# KiCad board HALTEST-panel.kicad_pcb
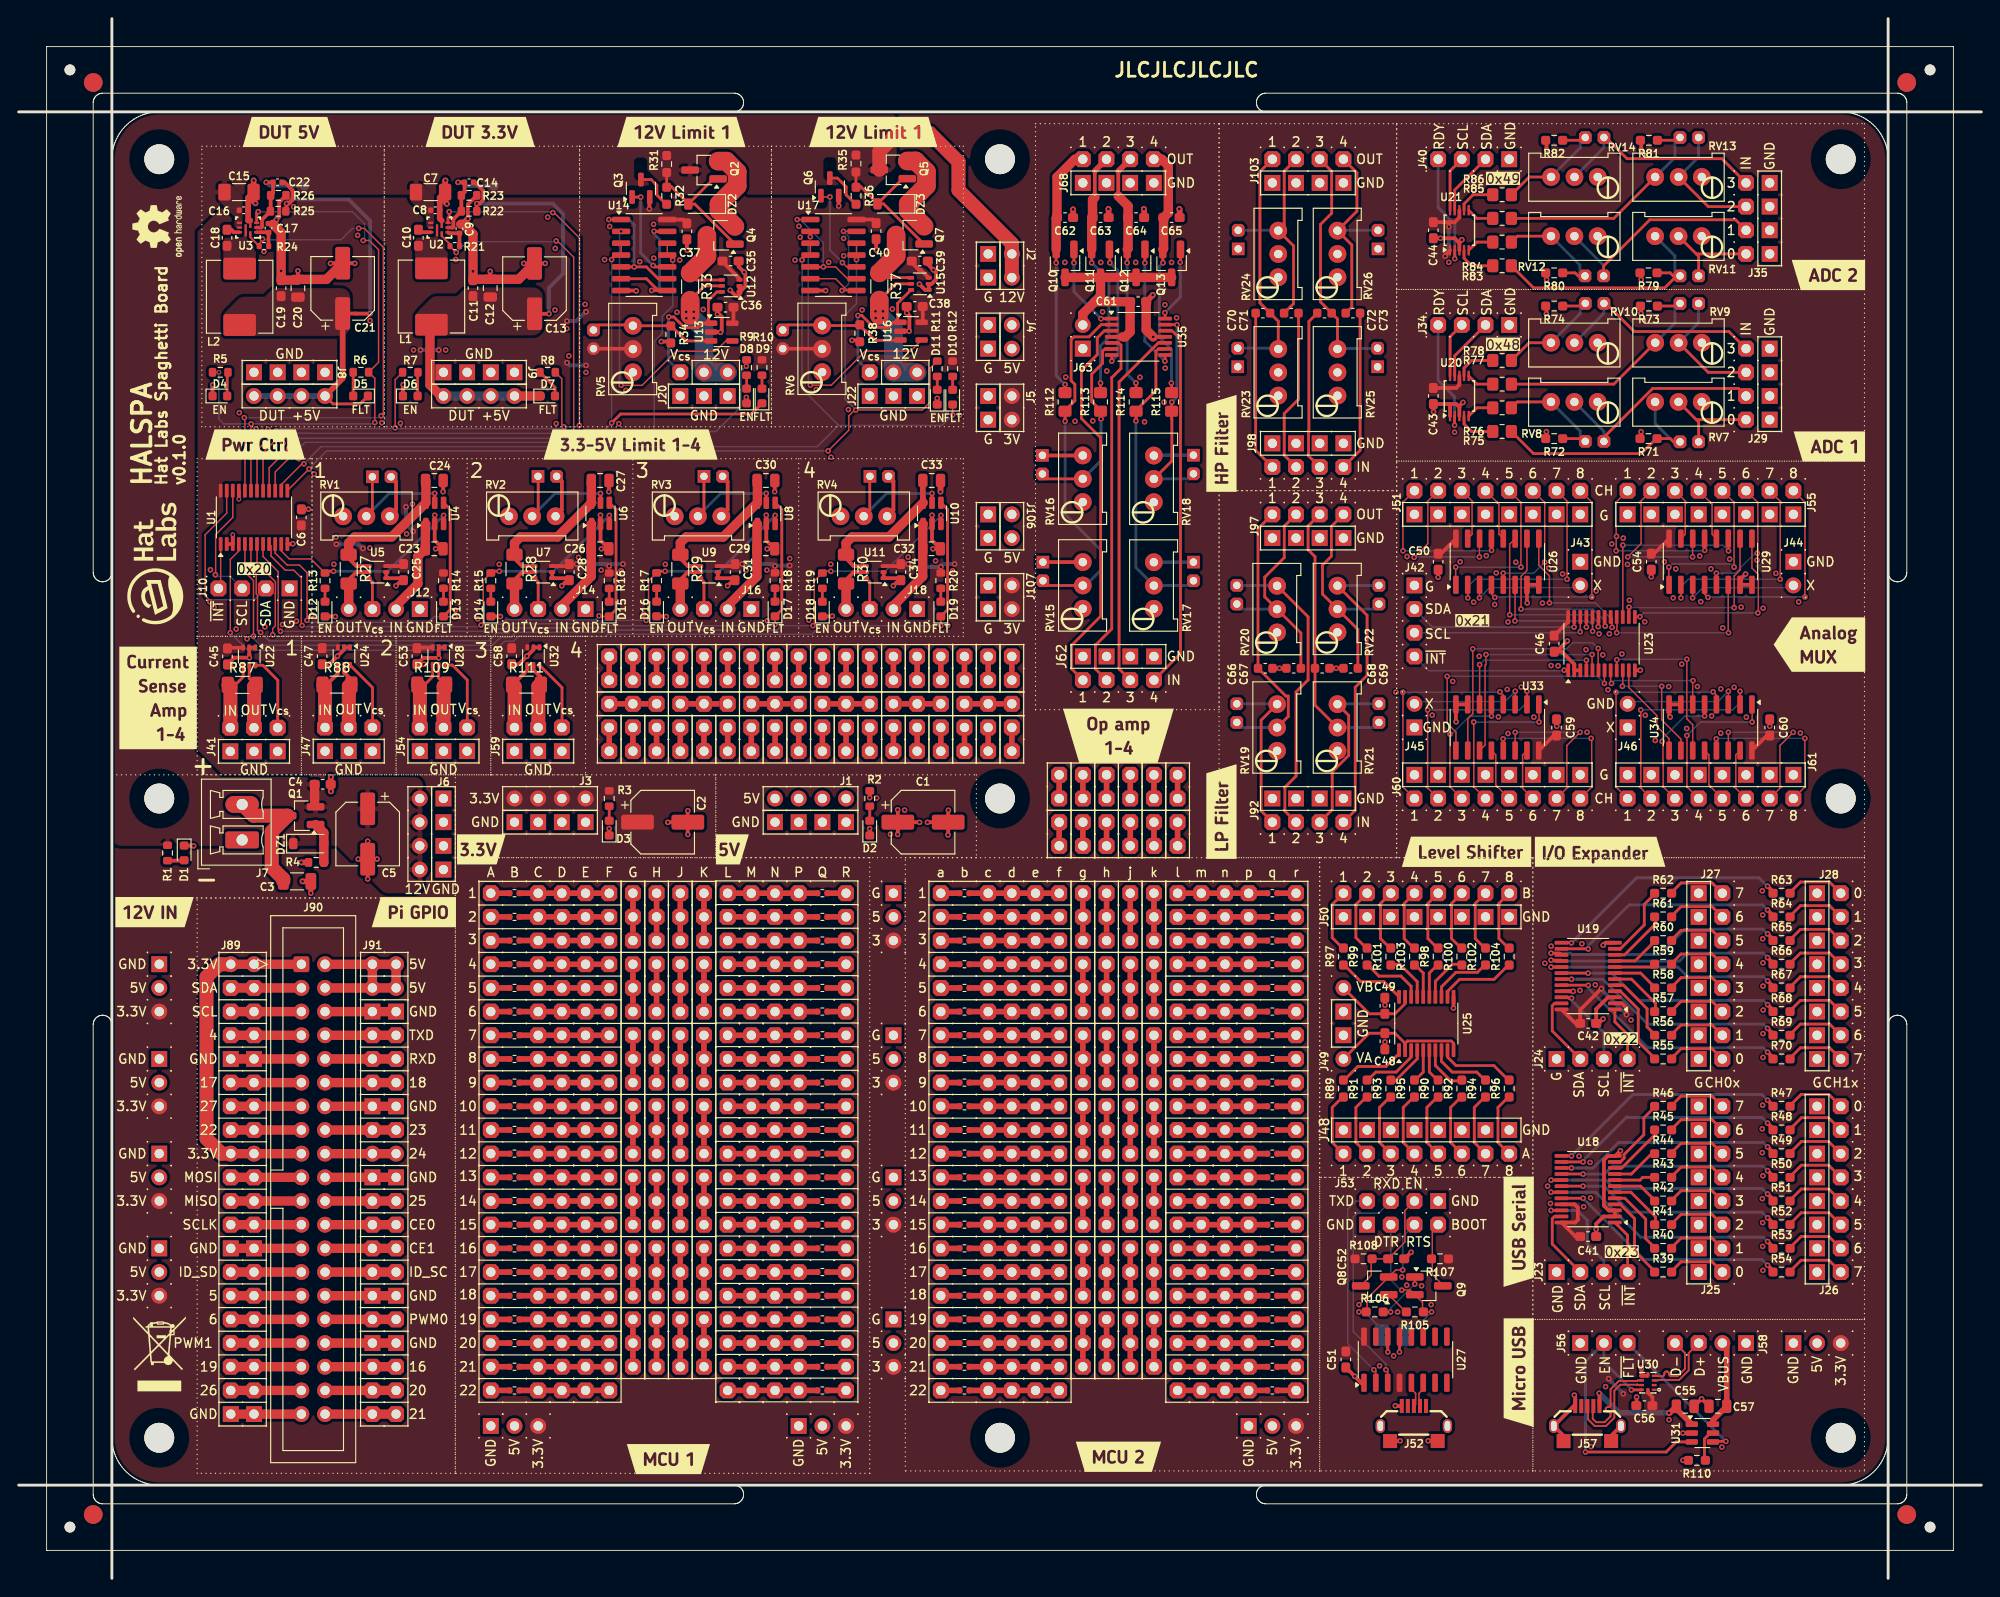
[diagram p0: board, top side]
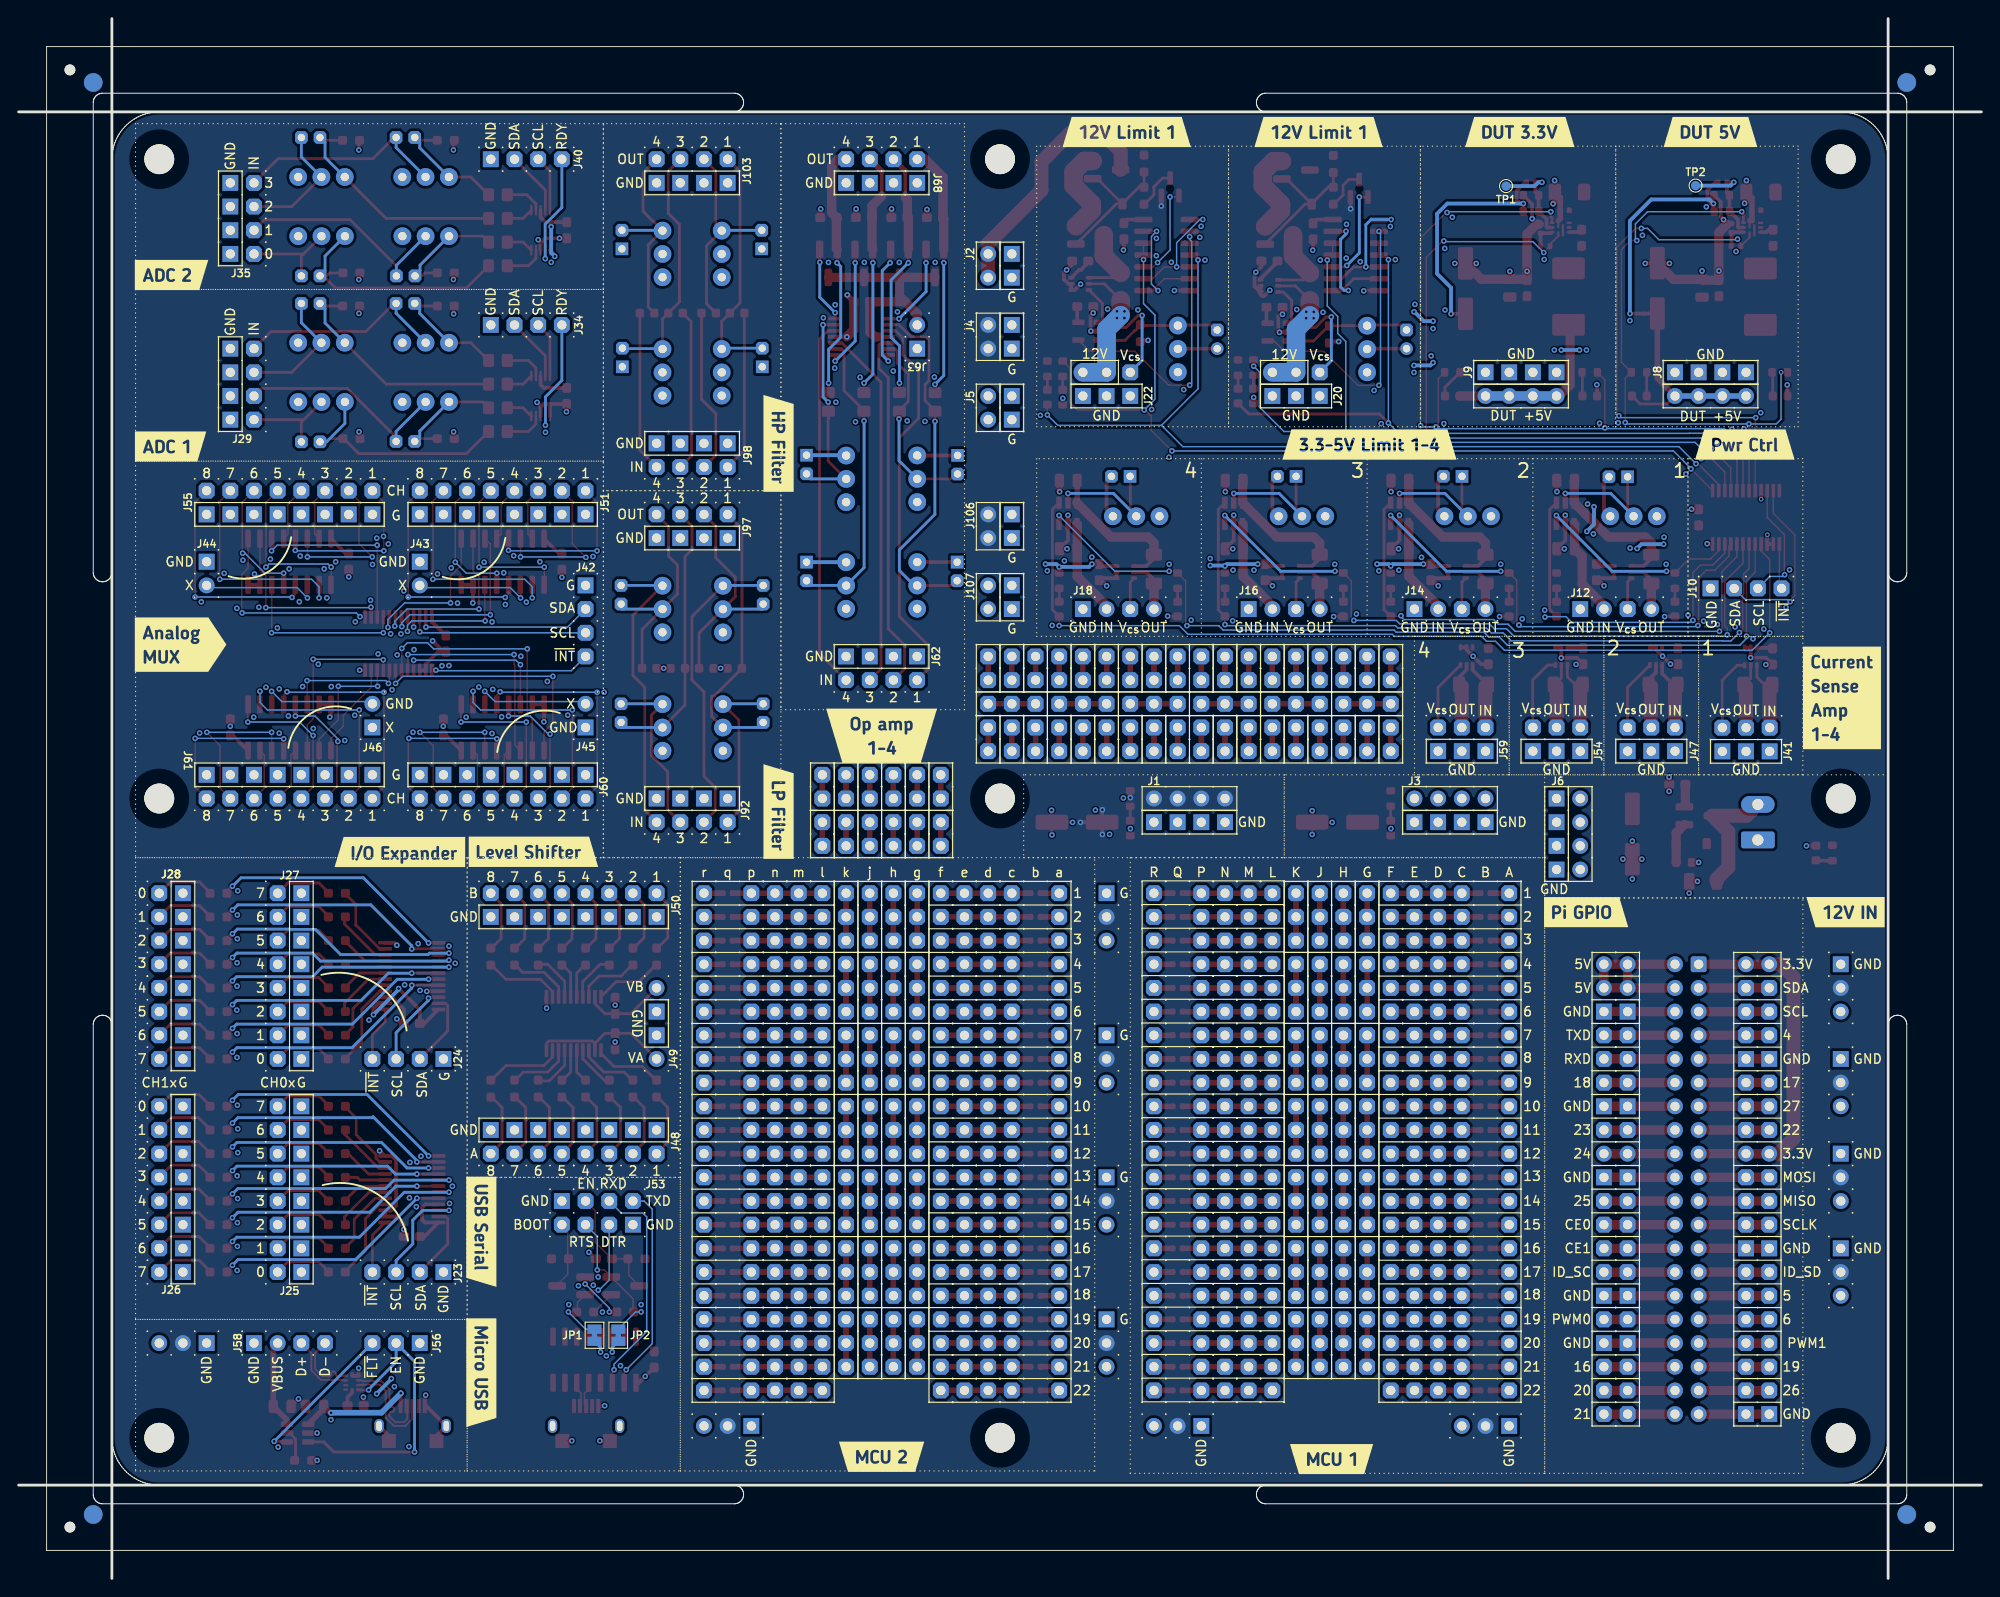
[diagram p1: board, bottom side, seen from below]

Outline 210.5 x 167.32 mm; copper layers: Top, In1.Cu, In2.Cu, Bottom. Coordinates in mm from the lower left corner of the outline.
Outline path: 0,157.32 210.5,157.32 ; 0,10 210.5,10 ; 3,3 3,3.01 3,164.31 3,164.32 ; 3,3 3.01,3 207.49,3 207.5,3 ; 3,164.32 3.01,164.32 207.49,164.32 207.5,164.32 ; 10,167.32 10,0 ; 10.41,13.09 10.32,13.3 10.31,13.33 10.24,13.55 10.23,13.57 10.17,13.79 10.16,13.82 10.11,14.05 10.1,14.07 10.06,14.3 10.06,14.32 10.03,14.55 10.03,14.58 10.01,14.81 10.01,14.84 10,15.07 10,15.09 10,59.41 10,59.46 10,59.51 9.99,59.56 9.98,59.61 9.97,59.65 9.96,59.7 9.94,59.75 9.92,59.79 9.9,59.84 9.88,59.88 9.86,59.92 9.83,59.97 9.8,60.01 9.77,60.04 9.74,60.08 9.71,60.12 9.67,60.15 9.63,60.18 9.6,60.21 9.56,60.24 9.51,60.27 9.47,60.29 9.43,60.31 9.38,60.33 9.34,60.35 9.29,60.37 9.24,60.38 9.2,60.39 9.15,60.4 9.1,60.41 9.05,60.41 9,60.41 8.95,60.41 8.9,60.41 8.85,60.4 8.8,60.39 8.76,60.38 8.71,60.37 8.66,60.35 8.62,60.33 8.57,60.31 8.53,60.29 8.49,60.27 8.44,60.24 8.4,60.21 8.37,60.18 8.33,60.15 8.29,60.12 8.26,60.08 8.23,60.04 8.2,60.01 8.17,59.97 8.14,59.92 8.12,59.88 8.1,59.84 8.08,59.79 8.06,59.75 8.04,59.7 8.03,59.65 8.02,59.61 8.01,59.56 8,59.51 8,59.46 8,59.41 8,9 8,8.95 8,8.9 8.01,8.85 8.02,8.8 8.03,8.76 8.04,8.71 8.06,8.66 8.08,8.62 8.1,8.57 8.12,8.53 8.14,8.49 8.17,8.44 8.2,8.4 8.23,8.37 8.26,8.33 8.29,8.29 8.33,8.26 8.37,8.23 8.4,8.2 8.44,8.17 8.49,8.14 8.53,8.12 8.57,8.1 8.62,8.08 8.66,8.06 8.71,8.04 8.76,8.03 8.8,8.02 8.85,8.01 8.9,8 8.95,8 9,8 76.75,8 76.8,8 76.85,8 76.9,8.01 76.95,8.02 76.99,8.03 77.04,8.04 77.09,8.06 77.13,8.08 77.18,8.1 77.22,8.12 77.26,8.14 77.31,8.17 77.35,8.2 77.38,8.23 77.42,8.26 77.46,8.29 77.49,8.33 77.52,8.37 77.55,8.4 77.58,8.44 77.61,8.49 77.63,8.53 77.65,8.57 77.67,8.62 77.69,8.66 77.71,8.71 77.72,8.76 77.73,8.8 77.74,8.85 77.75,8.9 77.75,8.95 77.75,9 77.75,9.05 77.75,9.1 77.74,9.15 77.73,9.2 77.72,9.24 77.71,9.29 77.69,9.34 77.67,9.38 77.65,9.43 77.63,9.47 77.61,9.51 77.58,9.56 77.55,9.6 77.52,9.63 77.49,9.67 77.46,9.71 77.42,9.74 77.38,9.77 77.35,9.8 77.31,9.83 77.26,9.86 77.22,9.88 77.18,9.9 77.13,9.92 77.09,9.94 77.04,9.96 76.99,9.97 76.95,9.98 76.9,9.99 76.85,10 76.8,10 76.75,10 15.09,10 15.07,10 14.84,10.01 14.81,10.01 14.58,10.03 14.55,10.03 14.32,10.06 14.3,10.06 14.07,10.1 14.05,10.11 13.82,10.16 13.79,10.17 13.57,10.23 13.55,10.24 13.33,10.31 13.3,10.32 13.09,10.41 ; 10.41,154.23 10.32,154.02 10.31,153.99 10.24,153.77 10.23,153.75 10.17,153.53 10.16,153.5 10.11,153.27 10.1,153.25 10.06,153.02 10.06,153 10.03,152.77 10.03,152.74 10.01,152.51 10.01,152.48 10,152.25 10,152.23 10,107.91 10,107.86 10,107.81 9.99,107.76 9.98,107.71 9.97,107.67 9.96,107.62 9.94,107.57 9.92,107.53 9.9,107.48 9.88,107.44 9.86,107.4 9.83,107.35 9.8,107.31 9.77,107.28 9.74,107.24 9.71,107.2 9.67,107.17 9.63,107.14 9.6,107.11 9.56,107.08 9.51,107.05 9.47,107.03 9.43,107.01 9.38,106.99 9.34,106.97 9.29,106.95 9.24,106.94 9.2,106.93 9.15,106.92 9.1,106.91 9.05,106.91 9,106.91 8.95,106.91 8.9,106.91 8.85,106.92 8.8,106.93 8.76,106.94 8.71,106.95 8.66,106.97 8.62,106.99 8.57,107.01 8.53,107.03 8.49,107.05 8.44,107.08 8.4,107.11 8.37,107.14 8.33,107.17 8.29,107.2 8.26,107.24 8.23,107.28 8.2,107.31 8.17,107.35 8.14,107.4 8.12,107.44 8.1,107.48 8.08,107.53 8.06,107.57 8.04,107.62 8.03,107.67 8.02,107.71 8.01,107.76 8,107.81 8,107.86 8,107.91 8,158.32 8,158.37 8,158.42 8.01,158.47 8.02,158.52 8.03,158.56 8.04,158.61 8.06,158.66 8.08,158.7 8.1,158.75 8.12,158.79 8.14,158.83 8.17,158.88 8.2,158.92 8.23,158.95 8.26,158.99 8.29,159.03 8.33,159.06 8.37,159.09 8.4,159.12 8.44,159.15 8.49,159.18 8.53,159.2 8.57,159.22 8.62,159.24 8.66,159.26 8.71,159.28 8.76,159.29 8.8,159.3 8.85,159.31 8.9,159.32 8.95,159.32 9,159.32 76.75,159.32 76.8,159.32 76.85,159.32 76.9,159.31 76.95,159.3 76.99,159.29 77.04,159.28 77.09,159.26 77.13,159.24 77.18,159.22 77.22,159.2 77.26,159.18 77.31,159.15 77.35,159.12 77.38,159.09 77.42,159.06 77.46,159.03 77.49,158.99 77.52,158.95 77.55,158.92 77.58,158.88 77.61,158.83 77.63,158.79 77.65,158.75 77.67,158.7 77.69,158.66 77.71,158.61 77.72,158.56 77.73,158.52 77.74,158.47 77.75,158.42 77.75,158.37 77.75,158.32 77.75,158.27 77.75,158.22 77.74,158.17 77.73,158.12 77.72,158.08 77.71,158.03 77.69,157.98 77.67,157.94 77.65,157.89 77.63,157.85 77.61,157.81 77.58,157.76 77.55,157.72 77.52,157.69 77.49,157.65 77.46,157.61 77.42,157.58 77.38,157.55 77.35,157.52 77.31,157.49 77.26,157.46 77.22,157.44 77.18,157.42 77.13,157.4 77.09,157.38 77.04,157.36 76.99,157.35 76.95,157.34 76.9,157.33 76.85,157.32 76.8,157.32 76.75,157.32 15.09,157.32 15.07,157.32 14.84,157.31 14.81,157.31 14.58,157.29 14.55,157.29 14.32,157.26 14.3,157.26 14.07,157.22 14.05,157.21 13.82,157.16 13.79,157.15 13.57,157.09 13.55,157.08 13.33,157.01 13.3,157 13.09,156.91 ; 10.41,13.09 10.42,13.07 10.51,12.85 10.53,12.83 10.63,12.63 10.64,12.6 10.76,12.4 10.78,12.38 10.9,12.19 10.92,12.17 11.06,11.98 11.07,11.96 11.22,11.78 11.23,11.76 11.39,11.59 11.41,11.57 ; 10.41,154.23 10.42,154.25 10.51,154.47 10.53,154.49 10.63,154.69 10.64,154.72 10.76,154.92 10.78,154.94 10.9,155.13 10.92,155.15 11.06,155.34 11.07,155.36 11.22,155.54 11.23,155.56 11.39,155.73 11.41,155.75 ; 11.41,11.57 11.57,11.41 ; 11.57,155.91 11.41,155.75 ; 11.57,11.41 11.59,11.39 11.76,11.23 11.78,11.22 11.96,11.07 11.98,11.06 12.17,10.92 12.19,10.9 12.38,10.78 12.4,10.76 12.6,10.64 12.63,10.63 12.83,10.53 12.85,10.51 13.07,10.42 13.09,10.41 ; 11.57,155.91 11.59,155.93 11.76,156.09 11.78,156.1 11.96,156.25 11.98,156.26 12.17,156.4 12.19,156.42 12.38,156.54 12.4,156.56 12.6,156.68 12.63,156.69 12.83,156.79 12.85,156.81 13.07,156.9 13.09,156.91 ; 197.41,10.41 197.2,10.32 197.17,10.31 196.95,10.24 196.93,10.23 196.71,10.17 196.68,10.16 196.45,10.11 196.43,10.1 196.2,10.06 196.18,10.06 195.95,10.03 195.92,10.03 195.69,10.01 195.66,10.01 195.43,10 195.41,10 133.75,10 133.7,10 133.65,10 133.6,9.99 133.55,9.98 133.51,9.97 133.46,9.96 133.41,9.94 133.37,9.92 133.32,9.9 133.28,9.88 133.24,9.86 133.19,9.83 133.15,9.8 133.12,9.77 133.08,9.74 133.04,9.71 133.01,9.67 132.98,9.63 132.95,9.6 132.92,9.56 132.89,9.51 132.87,9.47 132.85,9.43 132.83,9.38 132.81,9.34 132.79,9.29 132.78,9.24 132.77,9.2 132.76,9.15 132.75,9.1 132.75,9.05 132.75,9 132.75,8.95 132.75,8.9 132.76,8.85 132.77,8.8 132.78,8.76 132.79,8.71 132.81,8.66 132.83,8.62 132.85,8.57 132.87,8.53 132.89,8.49 132.92,8.44 132.95,8.4 132.98,8.37 133.01,8.33 133.04,8.29 133.08,8.26 133.12,8.23 133.15,8.2 133.19,8.17 133.24,8.14 133.28,8.12 133.32,8.1 133.37,8.08 133.41,8.06 133.46,8.04 133.51,8.03 133.55,8.02 133.6,8.01 133.65,8 133.7,8 133.75,8 201.5,8 201.55,8 201.6,8 201.65,8.01 201.7,8.02 201.74,8.03 201.79,8.04 201.84,8.06 201.88,8.08 201.93,8.1 201.97,8.12 202.01,8.14 202.06,8.17 202.1,8.2 202.13,8.23 202.17,8.26 202.21,8.29 202.24,8.33 202.27,8.37 202.3,8.4 202.33,8.44 202.36,8.49 202.38,8.53 202.4,8.57 202.42,8.62 202.44,8.66 202.46,8.71 202.47,8.76 202.48,8.8 202.49,8.85 202.5,8.9 202.5,8.95 202.5,9 202.5,59.41 202.5,59.46 202.5,59.51 202.49,59.56 202.48,59.61 202.47,59.65 202.46,59.7 202.44,59.75 202.42,59.79 202.4,59.84 202.38,59.88 202.36,59.92 202.33,59.97 202.3,60.01 202.27,60.04 202.24,60.08 202.21,60.12 202.17,60.15 202.13,60.18 202.1,60.21 202.06,60.24 202.01,60.27 201.97,60.29 201.93,60.31 201.88,60.33 201.84,60.35 201.79,60.37 201.74,60.38 201.7,60.39 201.65,60.4 201.6,60.41 201.55,60.41 201.5,60.41 201.45,60.41 201.4,60.41 201.35,60.4 201.3,60.39 201.26,60.38 201.21,60.37 201.16,60.35 201.12,60.33 201.07,60.31 201.03,60.29 200.99,60.27 200.94,60.24 200.9,60.21 200.87,60.18 200.83,60.15 200.79,60.12 200.76,60.08 200.73,60.04 200.7,60.01 200.67,59.97 200.64,59.92 200.62,59.88 200.6,59.84 200.58,59.79 200.56,59.75 200.54,59.7 200.53,59.65 200.52,59.61 200.51,59.56 200.5,59.51 200.5,59.46 200.5,59.41 200.5,15.09 200.5,15.07 200.49,14.84 200.49,14.81 200.47,14.58 200.47,14.55 200.44,14.32 200.44,14.3 200.4,14.07 200.39,14.05 200.34,13.82 200.33,13.79 200.27,13.57 200.26,13.55 200.19,13.33 200.18,13.3 200.09,13.09 ; 197.41,156.91 197.2,157 197.17,157.01 196.95,157.08 196.93,157.09 196.71,157.15 196.68,157.16 196.45,157.21 196.43,157.22 196.2,157.26 196.18,157.26 195.95,157.29 195.92,157.29 195.69,157.31 195.66,157.31 195.43,157.32 195.41,157.32 133.75,157.32 133.7,157.32 133.65,157.32 133.6,157.33 133.55,157.34 133.51,157.35 133.46,157.36 133.41,157.38 133.37,157.4 133.32,157.42 133.28,157.44 133.24,157.46 133.19,157.49 133.15,157.52 133.12,157.55 133.08,157.58 133.04,157.61 133.01,157.65 132.98,157.69 132.95,157.72 132.92,157.76 132.89,157.81 132.87,157.85 132.85,157.89 132.83,157.94 132.81,157.98 132.79,158.03 132.78,158.08 132.77,158.12 132.76,158.17 132.75,158.22 132.75,158.27 132.75,158.32 132.75,158.37 132.75,158.42 132.76,158.47 132.77,158.52 132.78,158.56 132.79,158.61 132.81,158.66 132.83,158.7 132.85,158.75 132.87,158.79 132.89,158.83 132.92,158.88 132.95,158.92 132.98,158.95 133.01,158.99 133.04,159.03 133.08,159.06 133.12,159.09 133.15,159.12 133.19,159.15 133.24,159.18 133.28,159.2 133.32,159.22 133.37,159.24 133.41,159.26 133.46,159.28 133.51,159.29 133.55,159.3 133.6,159.31 133.65,159.32 133.7,159.32 133.75,159.32 201.5,159.32 201.55,159.32 201.6,159.32 201.65,159.31 201.7,159.3 201.74,159.29 201.79,159.28 201.84,159.26 201.88,159.24 201.93,159.22 201.97,159.2 202.01,159.18 202.06,159.15 202.1,159.12 202.13,159.09 202.17,159.06 202.21,159.03 202.24,158.99 202.27,158.95 202.3,158.92 202.33,158.88 202.36,158.83 202.38,158.79 202.4,158.75 202.42,158.7 202.44,158.66 202.46,158.61 202.47,158.56 202.48,158.52 202.49,158.47 202.5,158.42 202.5,158.37 202.5,158.32 202.5,107.91 202.5,107.86 202.5,107.81 202.49,107.76 202.48,107.71 202.47,107.67 202.46,107.62 202.44,107.57 202.42,107.53 202.4,107.48 202.38,107.44 202.36,107.4 202.33,107.35 202.3,107.31 202.27,107.28 202.24,107.24 202.21,107.2 202.17,107.17 202.13,107.14 202.1,107.11 202.06,107.08 202.01,107.05 201.97,107.03 201.93,107.01 201.88,106.99 201.84,106.97 201.79,106.95 201.74,106.94 201.7,106.93 201.65,106.92 201.6,106.91 201.55,106.91 201.5,106.91 201.45,106.91 201.4,106.91 201.35,106.92 201.3,106.93 201.26,106.94 201.21,106.95 201.16,106.97 201.12,106.99 201.07,107.01 201.03,107.03 200.99,107.05 200.94,107.08 200.9,107.11 200.87,107.14 200.83,107.17 200.79,107.2 200.76,107.24 200.73,107.28 200.7,107.31 200.67,107.35 200.64,107.4 200.62,107.44 200.6,107.48 200.58,107.53 200.56,107.57 200.54,107.62 200.53,107.67 200.52,107.71 200.51,107.76 200.5,107.81 200.5,107.86 200.5,107.91 200.5,152.23 200.5,152.25 200.49,152.48 200.49,152.51 200.47,152.74 200.47,152.77 200.44,153 200.44,153.02 200.4,153.25 200.39,153.27 200.34,153.5 200.33,153.53 200.27,153.75 200.26,153.77 200.19,153.99 200.18,154.02 200.09,154.23 ; 197.41,10.41 197.43,10.42 197.65,10.51 197.67,10.53 197.87,10.63 197.9,10.64 198.1,10.76 198.12,10.78 198.31,10.9 198.33,10.92 198.52,11.06 198.54,11.07 198.72,11.22 198.74,11.23 198.91,11.39 198.93,11.41 ; 197.41,156.91 197.43,156.9 197.65,156.81 197.67,156.79 197.87,156.69 197.9,156.68 198.1,156.56 198.12,156.54 198.31,156.42 198.33,156.4 198.52,156.26 198.54,156.25 198.72,156.1 198.74,156.09 198.91,155.93 198.93,155.91 ; 198.93,11.41 199.09,11.57 ; 199.09,155.75 198.93,155.91 ; 199.09,11.57 199.11,11.59 199.27,11.76 199.28,11.78 199.43,11.96 199.44,11.98 199.58,12.17 199.6,12.19 199.72,12.38 199.74,12.4 199.86,12.6 199.87,12.63 199.97,12.83 199.99,12.85 200.08,13.07 200.09,13.09 ; 199.09,155.75 199.11,155.73 199.27,155.56 199.28,155.54 199.43,155.36 199.44,155.34 199.58,155.15 199.6,155.13 199.72,154.94 199.74,154.92 199.86,154.72 199.87,154.69 199.97,154.49 199.99,154.47 200.08,154.25 200.09,154.23 ; 200.5,167.32 200.5,0 ; 207.5,3 207.5,3.01 207.5,164.31 207.5,164.32
Stack: Top 0.035mm / dielectric 0.0994mm FR4 er 4.5 / In1.Cu 0.0152mm / dielectric 1.265mm FR4 er 4.5 / In2.Cu 0.0152mm / dielectric 0.0994mm FR4 er 4.5 / Bottom 0.035mm

## Placement (name value [footprint] x y rotation side)
C1  220uF  [CP_Elec_6.3x7.7]  97 81.12 0 top
C2  220uF  [CP_Elec_6.3x7.7]  69.07 81.12 0 top
C3  1uF/50V  [C_1206_3216Metric]  29.86 74.77 0 top
C4  1uF  [C_0603_1608Metric_Pad1.08x0.95mm_HandSolder]  32.61 85.18 0 top
C5  220uF  [CP_Elec_6.3x7.7]  37.43 79.85 270 top
C6  1uF  [C_0603_1608Metric_Pad1.08x0.95mm_HandSolder]  30.32 113.82 90 top
C7  10uF  [C_1206_3216Metric_Pad1.33x1.80mm_HandSolder]  44.17 148.71 0 top
C8  1uF  [C_0402_1005Metric]  44.67 146.76 0 top
C9  1uF  [C_0402_1005Metric]  47.28 144.78 90 top
C10  100nF  [C_0603_1608Metric_Pad1.08x0.95mm_HandSolder]  42.88 143.81 90 top
C11  1uF  [C_0603_1608Metric_Pad1.08x0.95mm_HandSolder]  48.72 138.41 90 top
C12  10uF  [C_0805_2012Metric]  50.58 138.41 90 top
C13  220uF/16V  [CP_Elec_6.3x7.7]  55.33 138.36 90 top
C14  33pF  [C_0402_1005Metric]  48.31 149.76 180 top
C15  10uF  [C_1206_3216Metric_Pad1.33x1.80mm_HandSolder]  23.64 148.71 0 top
C16  1uF  [C_0402_1005Metric]  24.13 146.76 0 top
C17  1uF  [C_0402_1005Metric]  26.8 144.86 90 top
C18  100nF  [C_0603_1608Metric_Pad1.08x0.95mm_HandSolder]  22.35 143.81 90 top
C19  1uF  [C_0603_1608Metric_Pad1.08x0.95mm_HandSolder]  28.15 138.41 90 top
C20  10uF  [C_0805_2012Metric]  29.95 138.4 90 top
C21  220uF/16V  [CP_Elec_6.3x7.7]  34.75 138.38 90 top
C22  33pF  [C_0402_1005Metric]  27.77 149.76 180 top
C23  10uF  [C_0805_2012Metric]  44.57 110.45 0 top
C24  10uF  [C_0805_2012Metric]  44.58 117.77 0 top
C25  1uF  [C_0603_1608Metric_Pad1.08x0.95mm_HandSolder]  41.28 107.94 270 top
C26  10uF  [C_0805_2012Metric]  62.35 110.45 0 top
C27  10uF  [C_0805_2012Metric]  62.36 117.77 0 top
C28  1uF  [C_0603_1608Metric_Pad1.08x0.95mm_HandSolder]  59.06 107.94 270 top
C29  10uF  [C_0805_2012Metric]  80.13 110.45 0 top
C30  10uF  [C_0805_2012Metric]  80.14 117.77 0 top
C31  1uF  [C_0603_1608Metric_Pad1.08x0.95mm_HandSolder]  76.84 107.94 270 top
C32  10uF  [C_0805_2012Metric]  97.91 110.45 0 top
C33  10uF  [C_0805_2012Metric]  97.93 117.77 0 top
C34  1uF  [C_0603_1608Metric_Pad1.08x0.95mm_HandSolder]  94.62 107.94 270 top
C35  1uF  [C_0603_1608Metric_Pad1.08x0.95mm_HandSolder]  76.35 141.32 0 top
C36  1uF  [C_0603_1608Metric_Pad1.08x0.95mm_HandSolder]  75.81 136.37 180 top
C37  1uF  [C_0603_1608Metric_Pad1.08x0.95mm_HandSolder]  71.67 144.5 270 top
C38  1uF  [C_0603_1608Metric_Pad1.08x0.95mm_HandSolder]  96.1 136.44 180 top
C39  1uF  [C_0603_1608Metric_Pad1.08x0.95mm_HandSolder]  96.65 141.32 0 top
C40  1uF  [C_0603_1608Metric_Pad1.08x0.95mm_HandSolder]  91.96 144.52 270 top
C41  1uF  [C_0603_1608Metric_Pad1.08x0.95mm_HandSolder]  168.33 36.67 0 top
C42  1uF  [C_0603_1608Metric_Pad1.08x0.95mm_HandSolder]  168.33 59.53 0 top
C43  1uF  [C_0603_1608Metric_Pad1.08x0.95mm_HandSolder]  151.72 126.84 270 top
C44  1uF  [C_0603_1608Metric_Pad1.08x0.95mm_HandSolder]  151.72 144.62 270 top
C45  1uF  [C_0603_1608Metric_Pad1.08x0.95mm_HandSolder]  22.4 98.9 90 top
C46  1uF  [C_0603_1608Metric_Pad1.08x0.95mm_HandSolder]  164.69 100.27 270 top
C47  1uF  [C_0603_1608Metric_Pad1.08x0.95mm_HandSolder]  32.56 98.92 90 top
C48  1uF  [C_0603_1608Metric_Pad1.08x0.95mm_HandSolder]  146.53 57.61 90 top
C49  1uF  [C_0603_1608Metric_Pad1.08x0.95mm_HandSolder]  146.53 61.42 90 top
C50  1uF  [C_0603_1608Metric_Pad1.08x0.95mm_HandSolder]  152.24 109.06 270 top
C51  1uF  [C_0603_1608Metric_Pad1.08x0.95mm_HandSolder]  142.34 23.48 270 top
C52  1uF  [C_0603_1608Metric_Pad1.08x0.95mm_HandSolder]  147.74 34.28 0 top
C53  1uF  [C_0603_1608Metric_Pad1.08x0.95mm_HandSolder]  42.72 98.92 90 top
C54  1uF  [C_0603_1608Metric_Pad1.08x0.95mm_HandSolder]  175.1 109.06 270 top
C55  10uF  [C_0805_2012Metric]  178.74 18.46 0 top
C56  1uF  [C_0603_1608Metric_Pad1.08x0.95mm_HandSolder]  174.36 18.53 0 top
C57  10uF  [C_0805_2012Metric]  182.24 18.46 180 top
C58  1uF  [C_0603_1608Metric_Pad1.08x0.95mm_HandSolder]  52.88 98.92 90 top
C59  1uF  [C_0603_1608Metric_Pad1.08x0.95mm_HandSolder]  164.94 91.28 90 top
C60  1uF  [C_0603_1608Metric_Pad1.08x0.95mm_HandSolder]  187.8 91.28 90 top
C61  1uF  [C_0603_1608Metric_Pad1.08x0.95mm_HandSolder]  120.07 136.95 180 top
C62  1uF  [C_0603_1608Metric_Pad1.08x0.95mm_HandSolder]  112.22 145.98 180 top
C63  1uF  [C_0603_1608Metric_Pad1.08x0.95mm_HandSolder]  116.03 145.98 180 top
C64  1uF  [C_0603_1608Metric_Pad1.08x0.95mm_HandSolder]  119.84 145.98 180 top
C65  1uF  [C_0603_1608Metric_Pad1.08x0.95mm_HandSolder]  123.66 145.98 180 top
C66  1nF C0G  [C_0603_1608Metric]  133.7 97.63 0 top
C67  1nF C0G  [C_0603_1608Metric]  136.75 97.63 180 top
C68  1nF C0G  [C_0603_1608Metric]  139.81 97.63 0 top
C69  1nF C0G  [C_0603_1608Metric]  142.85 97.63 180 top
C70  3.3nF C0G  [C_0603_1608Metric]  133.44 135.73 0 top
C71  3.3nF C0G  [C_0603_1608Metric]  136.49 135.73 180 top
C72  3.3nF C0G  [C_0603_1608Metric]  140.05 135.73 0 top
C73  3.3nF C0G  [C_0603_1608Metric]  143.1 135.73 180 top
D1  GREEN  [LED_0603_1608Metric]  17.75 77.82 270 top
D2  GREEN  [LED_0603_1608Metric]  91.28 80.48 90 top
D3  GREEN  [LED_0603_1608Metric]  63.34 80.48 90 top
D4  GREEN  [LED_0603_1608Metric]  21.58 126.84 0 top
D5  RED  [LED_0603_1608Metric]  36.67 126.84 180 top
D6  GREEN  [LED_0603_1608Metric]  42 126.84 0 top
D7  RED  [LED_0603_1608Metric]  56.74 126.84 0 top
D8  GREEN  [LED_0603_1608Metric]  78.07 126.84 90 top
D9  RED  [LED_0603_1608Metric]  79.72 126.84 90 top
D10  GREEN  [LED_0603_1608Metric]  98.52 126.71 90 top
D11  RED  [LED_0603_1608Metric]  100.17 126.71 90 top
D12  GREEN  [LED_0603_1608Metric]  32.86 103.98 90 top
D13  RED  [LED_0603_1608Metric]  45.56 103.98 90 top
D14  GREEN  [LED_0603_1608Metric]  50.64 103.98 90 top
D15  RED  [LED_0603_1608Metric]  63.34 103.98 90 top
D16  GREEN  [LED_0603_1608Metric]  68.42 103.99 90 top
D17  RED  [LED_0603_1608Metric]  81.12 103.99 90 top
D18  GREEN  [LED_0603_1608Metric]  86.2 103.98 90 top
D19  RED  [LED_0603_1608Metric]  98.9 103.98 90 top
DZ1  BZT52C10  [D_SOD-123]  31.1 78.82 0 top
DZ2  BZT52C10  [D_SOD-123]  73.47 147.43 180 top
DZ3  BZT52C10  [D_SOD-123]  93.76 147.45 180 top
G***  LOGO  [Hat_Labs_13mm]  14.65 108.87 90 top
H1  MountingHole  [MountingHole_3.2mm_M3_NoFill]  15.08 152.24 0 top
H2  MountingHole  [MountingHole_3.2mm_M3_NoFill]  15.08 83.66 0 top
H3  MountingHole  [MountingHole_3.2mm_M3_NoFill]  195.42 152.24 0 top
H4  MountingHole  [MountingHole_3.2mm_M3_NoFill]  195.42 83.66 0 top
H5  MountingHole  [MountingHole_3.2mm_M3_NoFill]  15.08 15.08 0 top
H6  MountingHole  [MountingHole_3.2mm_M3_NoFill]  105.25 15.08 0 top
H7  MountingHole  [MountingHole_3.2mm_M3_NoFill]  105.25 83.66 0 top
H8  MountingHole  [MountingHole_3.2mm_M3_NoFill]  105.25 152.24 0 top
H9  MountingHole  [MountingHole_3.2mm_M3_NoFill]  195.42 15.08 0 top
J1  Conn_02x04_Odd_Even  [Pad_2x04_P2.54_1.7x1.7_Rect-Rnd]  81.12 81.12 90 top
J2  Conn_02x02_Odd_Even  [Pad_2x02_P2.54_1.7x1.7_Rect-Rnd]  103.98 142.08 0 top
J3  Conn_02x04_Odd_Even  [Pad_2x04_P2.54_1.7x1.7_Rect-Rnd]  53.18 81.12 90 top
J4  Conn_02x02_Odd_Even  [Pad_2x02_P2.54_1.7x1.7_Rect-Rnd]  103.98 134.46 0 top
J5  Conn_02x02_Odd_Even  [Pad_2x02_P2.54_1.7x1.7_Rect-Rnd]  103.98 126.84 0 top
J6  Conn_02x04_Odd_Even  [Pad_2x04_P2.54_1.7x1.7_Rect-Rnd]  45.56 76.04 180 top
J7  Conn_01x02  [PhoenixContact_MCV_1,5_2-G-3.81_1x02_P3.81mm_Vertical]  23.97 79.21 90 top
J8  Conn_02x04_Odd_Even  [Pad_2x04_P2.54_1.7x1.7_Rect-Rnd]  32.86 129.38 270 top
J9  Conn_02x04_Odd_Even  [Pad_2x04_P2.54_1.7x1.7_Rect-Rnd]  53.18 129.38 270 top
J10  Conn_01x04  [Pad_1x04_P2.54_1.7x1.7_Rect-Oct]  29.05 106.2 270 top
J11  Conn_01x02  [Pad_1x02_P2.00_1.35x1.35_Rect-Oct]  37.94 118.17 90 top
J12  Conn_01x04  [Pad_1x04_P2.54_1.7x1.7_Rect-Rnd-Oct-Rnd]  43.02 103.98 270 top
J13  Conn_01x02  [Pad_1x02_P2.00_1.35x1.35_Rect-Oct]  55.7 118.22 90 top
J14  Conn_01x04  [Pad_1x04_P2.54_1.7x1.7_Rect-Rnd-Oct-Rnd]  60.8 103.98 270 top
J15  Conn_01x02  [Pad_1x02_P2.00_1.35x1.35_Rect-Oct]  73.5 118.22 90 top
J16  Conn_01x04  [Pad_1x04_P2.54_1.7x1.7_Rect-Rnd-Oct-Rnd]  78.58 103.98 270 top
J17  Conn_01x02  [Pad_1x02_P2.00_1.35x1.35_Rect-Oct]  91.3 118.22 90 top
J18  Conn_01x04  [Pad_1x04_P2.54_1.7x1.7_Rect-Rnd-Oct-Rnd]  96.36 103.98 270 top
J19  Conn_01x02  [Pad_1x02_P2.00_1.35x1.35_Rnd-Oct]  61.65 131.92 180 top
J20  Conn_02x03_Odd_Even  [Pad_2x03_P2.54_1.7x1.7_Rect-1Oct-2Rnd]  70.96 126.84 90 top
J21  Conn_01x02  [Pad_1x02_P2.00_1.35x1.35_Rnd-Oct]  81.95 131.92 180 top
J22  Conn_02x03_Odd_Even  [Pad_2x03_P2.54_1.7x1.7_Rect-1Oct-2Rnd]  91.28 126.84 90 top
J23  Conn_01x04  [Pad_1x04_P2.54_1.7x1.7_Rect-Oct]  164.94 32.86 90 top
J24  Conn_01x04  [Pad_1x04_P2.54_1.7x1.7_Rect-Oct]  164.94 55.72 90 top
J25  Conn_02x08_Odd_Even  [Pad_2x08_P2.54_1.7x1.7_Rect-Oct]  180.18 50.64 0 top
J26  Conn_02x08_Odd_Even  [Pad_2x08_P2.54_1.7x1.7_Rect-Oct]  192.88 32.86 0 bottom
J27  Conn_02x08_Odd_Even  [Pad_2x08_P2.54_1.7x1.7_Rect-Oct]  180.18 73.5 0 top
J28  Conn_02x08_Odd_Even  [Pad_2x08_P2.54_1.7x1.7_Rect-Oct]  192.88 55.72 0 bottom
J29  Conn_02x04_Odd_Even  [Pad_2x04_P2.54_1.7x1.7_Rect-Oct]  187.8 124.3 180 top
J30  Conn_01x02  [Pad_1x02_P2.00_1.35x1.35_Oct]  180.18 121.92 270 top
J31  Conn_01x02  [Pad_1x02_P2.00_1.35x1.35_Oct]  170.02 121.97 270 top
J32  Conn_01x02  [Pad_1x02_P2.00_1.35x1.35_Oct]  180.18 136.77 270 top
J33  Conn_01x02  [Pad_1x02_P2.00_1.35x1.35_Oct]  170.02 136.77 270 top
J34  Conn_01x04  [Pad_1x04_P2.54_1.7x1.7_Rect-Oct]  159.86 134.46 270 top
J35  Conn_02x04_Odd_Even  [Pad_2x04_P2.54_1.7x1.7_Rect-Oct]  187.8 142.08 180 top
J36  Conn_01x02  [Pad_1x02_P2.00_1.35x1.35_Oct]  180.18 139.72 270 top
J37  Conn_01x02  [Pad_1x02_P2.00_1.35x1.35_Oct]  169.99 139.72 270 top
J38  Conn_01x02  [Pad_1x02_P2.00_1.35x1.35_Oct]  180.18 154.57 270 top
J39  Conn_01x02  [Pad_1x02_P2.00_1.35x1.35_Oct]  170.02 154.57 270 top
J40  Conn_01x04  [Pad_1x04_P2.54_1.7x1.7_Rect-Oct]  159.86 152.24 270 top
J41  Conn_02x03_Odd_Even  [Pad_2x03_P2.54_1.7x1.7_Rect-Oct]  22.7 88.72 90 top
J42  Conn_01x04  [Pad_1x04_P2.54_1.7x1.7_Rect-Oct]  149.7 106.52 0 top
J43  Conn_01x02  [Pad_1x02_P2.54_1.7x1.7_Rect-Rnd]  167.48 109.06 0 top
J44  Conn_01x02  [Pad_1x02_P2.54_1.7x1.7_Rect-Rnd]  190.34 109.06 0 top
J45  Conn_01x02  [Pad_1x02_P2.54_1.7x1.7_Rect-Rnd]  149.7 91.28 180 top
J46  Conn_01x02  [Pad_1x02_P2.54_1.7x1.7_Rect-Rnd]  172.56 91.28 180 top
J47  Conn_02x03_Odd_Even  [Pad_2x03_P2.54_1.7x1.7_Rect-Oct]  32.86 88.74 90 top
J48  Conn_02x08_Odd_Even  [Pad_2x08_P2.54_1.7x1.7_Rect-Oct]  142.08 48.1 270 bottom
J49  Conn_01x04  [Pad_1x04_P2.54_1.7x1.7_Rect-Rnd-Rnd-Rect]  142.08 55.72 180 top
J50  Conn_02x08_Odd_Even  [Pad_2x08_P2.54_1.7x1.7_Rect-Oct]  142.08 70.96 90 top
J51  Conn_02x08_Odd_Even  [Pad_2x08_P2.54_1.7x1.7_Rect-Oct]  149.7 114.14 90 top
J52  USB_B_Micro  [MICRO-USB-SMD_MICRO-21-P2-T3]  149.64 16.61 180 top
J53  Conn_02x04_Odd_Even  [Pad_2x04_P2.54_1.7x1.7_Rect-Oct-Rect]  144.62 37.94 90 top
J54  Conn_02x03_Odd_Even  [Pad_2x03_P2.54_1.7x1.7_Rect-Oct]  43.02 88.74 90 top
J55  Conn_02x08_Odd_Even  [Pad_2x08_P2.54_1.7x1.7_Rect-Oct]  172.56 114.14 90 top
J56  Conn_01x03  [Pad_1x03_P2.54_1.7x1.7_Rect-2Oct]  167.48 25.24 90 top
J57  USB_B_Micro  [MICRO-USB-SMD_MICRO-21-P2-T3]  168.24 16.6 180 top
J58  Conn_01x04  [Pad_1x04_P2.54_1.7x1.7_Rect-Rnd-Oct-Oct]  185.26 25.24 270 top
J59  Conn_02x03_Odd_Even  [Pad_2x03_P2.54_1.7x1.7_Rect-Oct]  53.18 88.74 90 top
J60  Conn_02x08_Odd_Even  [Pad_2x08_P2.54_1.7x1.7_Rect-Oct]  167.48 86.2 270 top
J61  Conn_02x08_Odd_Even  [Pad_2x08_P2.54_1.7x1.7_Rect-Oct]  190.34 86.2 270 top
J62  Conn_02x04_Odd_Even  [Pad_2x04_P2.54_1.7x1.7_Rect-Oct]  114.14 98.9 270 bottom
J63  Conn_01x02  [Pad_1x02_P2.54_1.7x1.7_Rect-Rnd]  114.13 131.92 180 top
J64  Conn_01x02  [Pad_1x02_P2.00_1.35x1.35_Rect-Oct]  109.85 109.02 0 top
J65  Conn_01x02  [Pad_1x02_P2.00_1.35x1.35_Rect-Oct]  109.8 120.47 0 top
J66  Conn_01x02  [Pad_1x02_P2.00_1.35x1.35_Rect-Oct]  126 109.02 0 top
J67  Conn_01x02  [Pad_1x02_P2.00_1.35x1.35_Rect-Oct]  126 120.49 0 top
J68  Conn_02x04_Odd_Even  [Pad_2x04_P2.54_1.7x1.7_Rect-Oct]  114.13 149.7 90 top
J69  Conn_01x22  [Pad_1x22_P2.54_1.7x1.7_Oct]  88.74 20.16 180 top
J70  Conn_01x22  [Pad_1x22_P2.54_1.7x1.7_Oct]  83.66 20.16 180 top
J71  Conn_01x22  [Pad_1x22_P2.54_1.7x1.7_Oct]  81.12 20.16 180 top
J72  Conn_01x22  [Pad_1x22_P2.54_1.7x1.7_Oct]  78.58 20.16 180 top
J73  Conn_01x22  [Pad_1x22_P2.54_1.7x1.7_Oct]  76.04 20.16 180 top
J74  Conn_01x22  [Pad_1x22_P2.54_1.7x1.7_Oct]  63.34 20.16 180 top
J75  Conn_01x22  [Pad_1x22_P2.54_1.7x1.7_Oct]  60.8 20.16 180 top
J76  Conn_01x22  [Pad_1x22_P2.54_1.7x1.7_Oct]  58.26 20.16 180 top
J77  Conn_01x22  [Pad_1x22_P2.54_1.7x1.7_Oct]  55.72 20.16 180 top
J78  Conn_01x22  [Pad_1x22_P2.54_1.7x1.7_Oct]  50.64 20.16 180 top
J79  Conn_01x22  [Pad_1x22_P2.54_1.7x1.7_Oct]  137 20.16 180 top
J80  Conn_01x22  [Pad_1x22_P2.54_1.7x1.7_Oct]  131.92 20.16 180 top
J81  Conn_01x22  [Pad_1x22_P2.54_1.7x1.7_Oct]  129.38 20.16 180 top
J82  Conn_01x22  [Pad_1x22_P2.54_1.7x1.7_Oct]  126.84 20.16 180 top
J83  Conn_01x22  [Pad_1x22_P2.54_1.7x1.7_Oct]  124.3 20.16 180 top
J84  Conn_01x22  [Pad_1x22_P2.54_1.7x1.7_Oct]  111.6 20.16 180 top
J85  Conn_01x22  [Pad_1x22_P2.54_1.7x1.7_Oct]  106.52 20.16 180 top
J86  Conn_01x22  [Pad_1x22_P2.54_1.7x1.7_Oct]  109.06 20.16 180 top
J87  Conn_01x22  [Pad_1x22_P2.54_1.7x1.7_Oct]  103.98 20.16 180 top
J88  Conn_01x22  [Pad_1x22_P2.54_1.7x1.7_Oct]  98.9 20.16 180 top
J89  Conn_01x20_RPi_GPIO_Odd  [Pad_2x20_P2.54_1.7x1.7_RPi_GPIO_Odd]  22.75 65.88 0 top
J90  Conn_02x20_Odd_Even  [IDC-Header_2x20_P2.54mm_Vertical]  30.32 65.88 0 top
J91  Conn_01x20_RPi_GPIO_Even  [Pad_2x20_P2.54_1.7x1.7_RPi_GPIO_Even]  37.94 65.88 0 top
J92  Conn_02x04_Odd_Even  [Pad_2x04_P2.54_1.7x1.7_Rect-Oct]  134.46 83.66 270 bottom
J93  Conn_01x02  [Pad_1x02_P2.00_1.35x1.35_Oct]  130.65 93.82 0 top
J94  Conn_01x02  [Pad_1x02_P2.00_1.35x1.35_Oct]  130.65 106.52 0 top
J95  Conn_01x02  [Pad_1x02_P2.00_1.35x1.35_Oct]  145.89 93.82 0 top
J96  Conn_01x02  [Pad_1x02_P2.00_1.35x1.35_Oct]  145.89 106.52 0 top
J97  Conn_02x04_Odd_Even  [Pad_2x04_P2.54_1.7x1.7_Rect-Oct]  134.46 111.6 90 top
J98  Conn_02x04_Odd_Even  [Pad_2x04_P2.54_1.7x1.7_Rect-Oct]  134.46 121.76 270 bottom
J99  Conn_01x02  [Pad_1x02_P2.00_1.35x1.35_Rect-Oct]  130.75 129.97 180 top
J100  Conn_01x02  [Pad_1x02_P2.00_1.35x1.35_Rect-Oct]  130.8 142.62 180 top
J101  Conn_01x02  [Pad_1x02_P2.00_1.35x1.35_Rect-Oct]  145.75 129.97 180 top
J102  Conn_01x02  [Pad_1x02_P2.00_1.35x1.35_Rect-Oct]  145.8 142.62 180 top
J103  Conn_02x04_Odd_Even  [Pad_2x04_P2.54_1.7x1.7_Rect-Oct]  134.46 149.7 90 top
J106  Conn_02x02_Odd_Even  [Pad_2x02_P2.54_1.7x1.7_Rect-Rnd]  103.98 114.14 0 top
J107  Conn_02x02_Odd_Even  [Pad_2x02_P2.54_1.7x1.7_Rect-Rnd]  103.98 106.52 0 top
JP1  SJ2b  [SolderJumper-2_P1.3mm_Bridged_Pad1.0x1.5mm]  148.74 26.08 90 bottom
JP2  SJ2b  [SolderJumper-2_P1.3mm_Bridged_Pad1.0x1.5mm]  146.19 26.08 270 bottom
kibuzzard-67C9A3EF  G***  [kibuzzard-67C9A3EF]  14.57 71.47 0 top
kibuzzard-67C9A4E5  G***  [kibuzzard-67C9A4E5]  14.95 94.45 180 bottom
kibuzzard-67C9A4FE  G***  [kibuzzard-67C9A4FE]  14.57 71.47 180 bottom
kibuzzard-67C9A125  G***  [kibuzzard-67C9A125]  14.95 94.45 0 top
kibuzzard-67C9A552  G***  [kibuzzard-67C9A552]  42.39 71.47 180 bottom
kibuzzard-67C9A573  G***  [kibuzzard-67C9A573]  42.39 71.47 0 top
kibuzzard-67C9AD02  G***  [kibuzzard-67C9AD02]  69.69 12.79 0 top
kibuzzard-67C9AD02#2  G***  [kibuzzard-67C9AD02]  69.69 12.79 180 bottom
kibuzzard-67C9AD4C  G***  [kibuzzard-67C9AD4C]  117.95 13.05 180 bottom
kibuzzard-67C9AD5F  G***  [kibuzzard-67C9AD5F]  117.95 13.05 0 top
kibuzzard-67C9AE7F  G***  [kibuzzard-67C9AE7F]  49.62 78.2 0 top
kibuzzard-67C9AF47  G***  [kibuzzard-67C9AF47]  76.55 78.2 0 top
kibuzzard-67C9B4C3  G***  [kibuzzard-67C9B4C3]  117.95 90.39 0 top
kibuzzard-67C9B4C3#2  G***  [kibuzzard-67C9B4C3]  117.95 90.39 180 bottom
kibuzzard-67C9B93B  G***  [kibuzzard-67C9B93B]  129 82.26 90 top
kibuzzard-67C9B96B  G***  [kibuzzard-67C9B96B]  129 121.76 90 top
kibuzzard-67C9BAE7  G***  [kibuzzard-67C9BAE7]  129 82.26 270 bottom
kibuzzard-67C9BB01  G***  [kibuzzard-67C9BB01]  129 121.76 270 bottom
kibuzzard-67C9C711  G***  [kibuzzard-67C9C711]  193.13 100.17 0 top
kibuzzard-67C9CA19  G***  [kibuzzard-67C9CA19]  193.13 100.17 180 bottom
kibuzzard-67C9CAFD  G***  [kibuzzard-67C9CAFD]  155.29 77.94 0 top
kibuzzard-67C9CCAC  G***  [kibuzzard-67C9CCAC]  155.29 77.94 180 bottom
kibuzzard-67C9D0ED  G***  [kibuzzard-67C9D0ED]  160.88 37.18 90 top
kibuzzard-67C9D4C1  G***  [kibuzzard-67C9D4C1]  169.61 77.92 180 bottom
kibuzzard-67C9D4D6  G***  [kibuzzard-67C9D4D6]  160.88 22.06 90 top
kibuzzard-67C9D4F9  G***  [kibuzzard-67C9D4F9]  160.88 22.06 270 bottom
kibuzzard-67C9D5A0  G***  [kibuzzard-67C9D5A0]  194.2 121.42 180 bottom
kibuzzard-67C9D13B  G***  [kibuzzard-67C9D13B]  160.88 37.18 270 bottom
kibuzzard-67C9D56A  G***  [kibuzzard-67C9D56A]  194.1 139.82 180 bottom
kibuzzard-67C9D480  G***  [kibuzzard-67C9D480]  169.61 77.94 0 top
kibuzzard-67C9D562  G***  [kibuzzard-67C9D562]  194.1 139.82 0 top
kibuzzard-67C9D596  G***  [kibuzzard-67C9D596]  194.2 121.42 0 top
kibuzzard-67C99A0E  G***  [kibuzzard-67C99A0E]  65.63 121.63 180 bottom
kibuzzard-67C99F58  G***  [kibuzzard-67C99F58]  25.37 121.63 0 top
kibuzzard-67C99F58#2  G***  [kibuzzard-67C99F58]  25.37 121.63 180 bottom
kibuzzard-67C984A7  G***  [kibuzzard-67C984A7]  49.5 155.16 180 bottom
kibuzzard-67C991CE  G***  [kibuzzard-67C991CE]  71.09 155.16 0 top
kibuzzard-67C991CE#2  G***  [kibuzzard-67C991CE]  91.66 155.16 0 top
kibuzzard-67C991DC  G***  [kibuzzard-67C991DC]  71.09 155.16 180 bottom
kibuzzard-67C991DC#2  G***  [kibuzzard-67C991DC]  91.66 155.16 180 bottom
kibuzzard-67C999FE  G***  [kibuzzard-67C999FE]  65.63 121.63 0 top
kibuzzard-67C9825D  G***  [kibuzzard-67C9825D]  29.05 155.16 0 top
kibuzzard-67C9825D#2  G***  [kibuzzard-67C9825D]  29.05 155.16 180 bottom
kibuzzard-67C98492  G***  [kibuzzard-67C98492]  49.5 155.16 0 top
KiKit_FID_B_1  -  [Fiducial]  8 160.47 180 bottom
KiKit_FID_B_2  -  [Fiducial]  202.5 160.47 180 bottom
KiKit_FID_B_3  -  [Fiducial]  8 6.85 180 bottom
KiKit_FID_B_4  -  [Fiducial]  202.5 6.85 180 bottom
KiKit_FID_T_1  -  [Fiducial]  8 160.47 0 top
KiKit_FID_T_2  -  [Fiducial]  202.5 160.47 0 top
KiKit_FID_T_3  -  [Fiducial]  8 6.85 0 top
KiKit_FID_T_4  -  [Fiducial]  202.5 6.85 0 top
KiKit_TO_1  -  [NPTH]  5.5 161.82 0 top
KiKit_TO_2  -  [NPTH]  205 161.82 0 top
KiKit_TO_3  -  [NPTH]  5.5 5.5 0 top